# Altium PCB FMC_ADC_250M_16B_4ch_pcb.PcbDoc (part 8 of 8)
Units mm, origin at the board's own origin, x right, y up, seen from the top; angles counter-clockwise.
Board outline 76.75 x 69 mm, 8 copper layers (Top Layer, GND(SMAGND), L3, GND, L5, GND (Plane2), Power, Bottom Layer), stack 1.363 mm thick; 374 components, 427 nets, 2157 pads, 1340 vias.
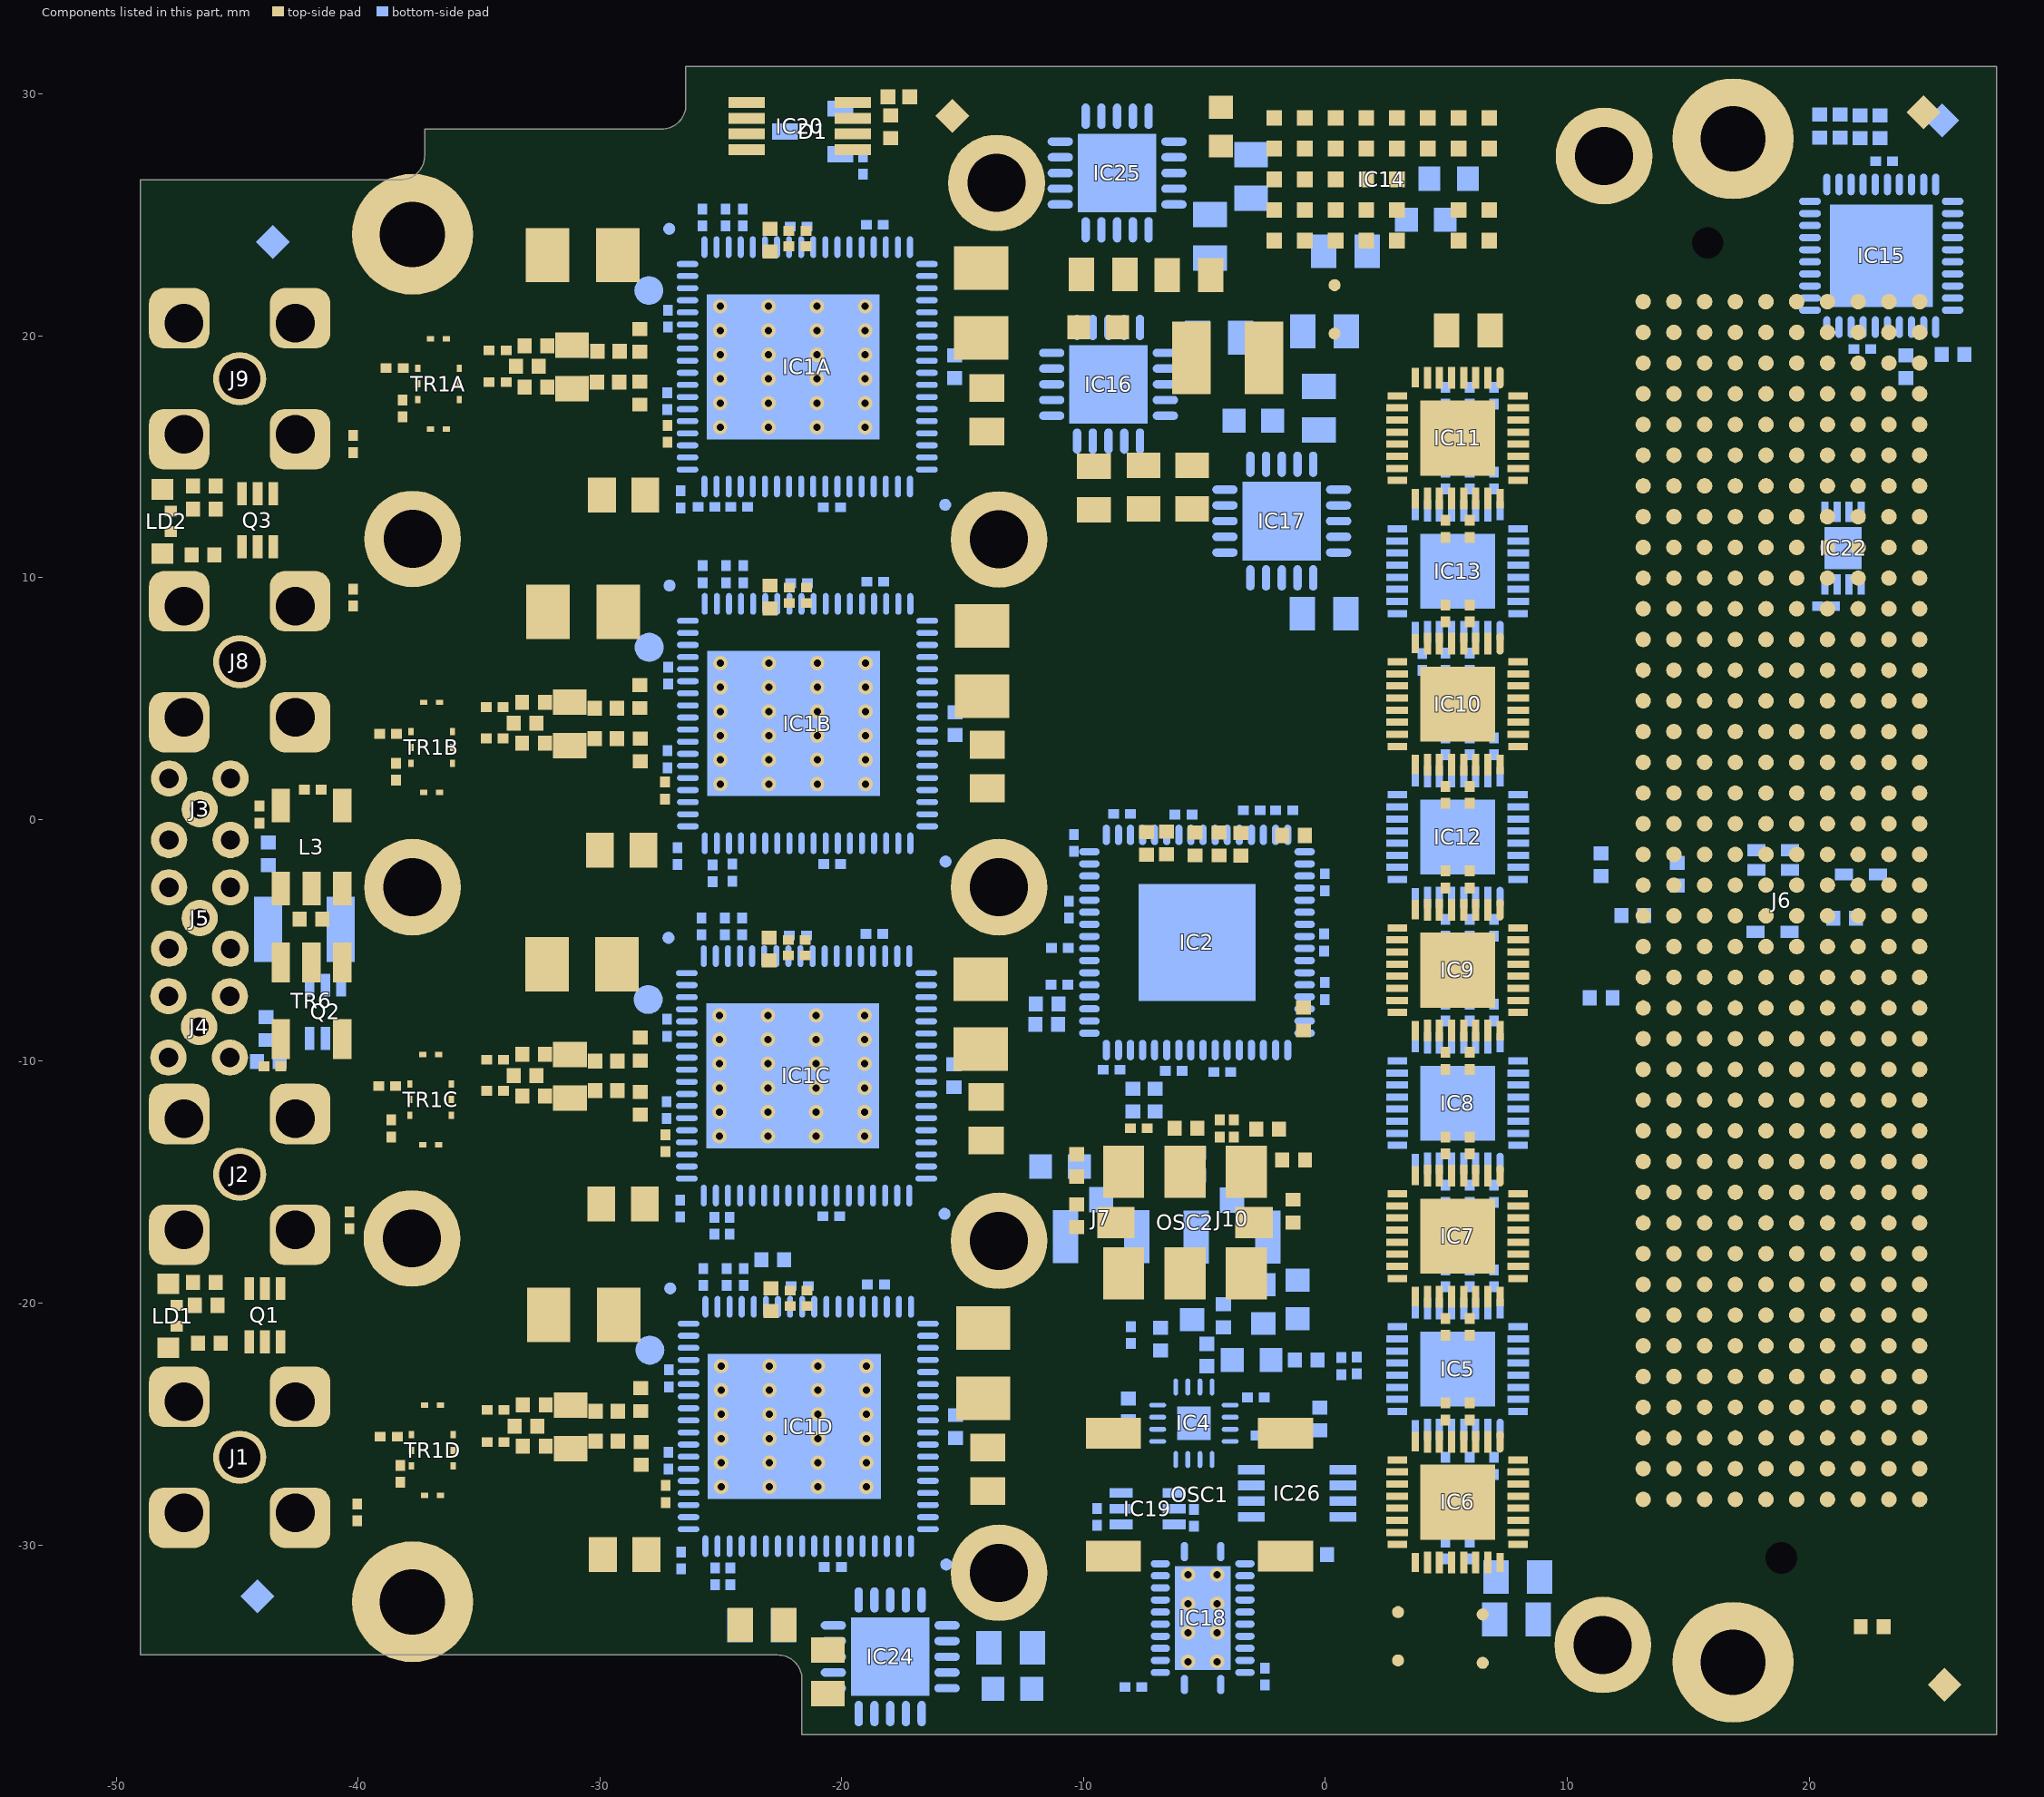
[diagram p14: the components of this part, seen from the top]

## Other copper (continued)
Power (plane layer: these items are gaps in the copper):
  lines w0.127: -32.5,-2.83 -32.5,-14.299 -32.08,-14.719 -32.08,-14.77 ; -7.822,11.902 -6.172,13.551 -6.172,16.32 -6.858,17.006 -6.858,18.199 ; -4.561,17.285 -4.561,15.953 -2.515,13.907 ; -4.547,21.238 -4.435,21.349 0.697,21.349 0.697,21.312 1.243,20.766 2.87,20.766
  lines w0.143: 26.225,-3.375 27.6,-3.375 ; 26.225,-2.3 27.6,-2.3 ; 26.225,-1.225 27.6,-1.225 ; 26.225,-0.15 27.6,-0.15 ; 26.225,0.925 27.6,0.925 ; 26.225,2 27.6,2 ; 26.225,3.075 26.225,-4.45 27.6,-4.45 27.6,3.075 ; 26.225,3.075 27.6,3.075 ; 26.225,3.075 26.225,4.15 27.6,4.15 27.6,3.075
  lines w0.152: -30.75,-34.279 -30.75,-31.912 -33.5,-29.162 -33.5,-16.279 -32,-14.779 -31.75,-14.779 -29.75,-14.779 -29.5,-15.029 -29.5,-16.529 -30,-17.029 -31.75,-17.029 -32.664,-17.944 -32.664,-28.115 -31.5,-29.279 -30,-29.279 -29.5,-29.779 -29.5,-31.779 -28.75,-32.529 -19.25,-32.529 -18.5,-33.279 -18.5,-35.779 -18,-36.279 -18,-37.779 ; -27.394,27.076 -27.394,28.625 ; -18.505,-33.26 -18.251,-33.006 -13.095,-33.006 -12.46,-32.371 -12.46,-29.5 ; -15.396,-26.415 -15.396,-28.981 -14.837,-29.539 -12.45,-29.539 -9.884,-26.974 ; -15.396,-21.694 -15.396,-11.901 ; -15.396,-7.194 -15.396,2.668 ; -15.396,7.392 -15.396,17.42 ; -12.192,21.235 -11.985,21.235 -10.7,22.521 -6.8,22.521 -6.847,22.474 -6.847,18.175 ; -10.708,-37.781 -10.682,-37.755 -10.682,-31.507 -7.101,-27.926 -0.544,-27.926 -0.127,-27.508 -0.127,-27.28 1.524,-25.629 1.524,-20.828 1.473,-20.828 0.889,-20.244 0.889,-3.404 0.889,-1.295 0.889,10.439 0.864,10.465 ; -9.895,-26.96 -9.844,-26.91 -9.844,-18.07 -10.86,-17.054 -10.86,-6.844 -11.292,-6.412 -11.292,0.283 -9.869,1.706 -9.869,9.829 -7.796,11.902 -4.307,11.902 -2.935,11.902 -0.66,9.627 -0.66,9.322 -0.508,9.169 -0.508,0.722 -0.606,0.624 -0.606,-14.921 -0.606,-23.466 -0.635,-23.495 -0.635,-23.698 -0.635,-26.721 -0.889,-26.975 -2.667,-26.975 -3.962,-25.679 -9.844,-25.679 ; -7.319,31.09 -7.116,31.294 ; -6.999,23.23 -6.796,23.027 -6.796,22.519 ; -6.009,26.227 -4.51,27.726 -2.656,27.726 -2.148,27.218 -2.148,25.171 -3.094,24.225 -3.094,22.691 -4.561,21.223 -4.561,16.855 ; -2.707,14.061 0.915,10.44 ; -2.148,27.192 0.037,27.192 0.635,26.594 0.635,21.374 ; 1.205,-31.507 1.51,-31.812 5.752,-31.812 ; 1.51,-34.475 7.506,-34.475 8.706,-35.675 22.206,-35.675 25.606,-32.275 25.606,-28.475 25.606,-18.675 25.575,-18.644 25.575,-6.05 25.025,-5.5 25.025,11.306 24.706,11.625 20.206,11.625 19.106,12.725 19.106,19.225 19.806,19.925 19.806,21.625 20.206,22.025 20.622,22.025 22.506,20.14 22.506,19.025 21.206,17.725 21.206,14.225 22.006,13.425 27.756,13.425 ; 1.51,-31.786 1.51,-37.857 1.535,-37.882 ; 1.549,-31.812 1.205,-31.467 1.205,-30.85 1.397,-30.658 2.743,-30.658 3.581,-29.82 3.581,-29.413 ; 2.819,-3.353 2.819,-2.921 ; 2.831,20.766 6.768,20.766 7.53,21.528 14.337,21.528 15.099,22.29 18.782,22.29 19.087,21.985 19.087,20.639 18.02,19.572 15.988,19.572 9.282,19.572 8.571,18.861 ; 3.186,18.607 2.196,17.617 2.196,1.346 2.794,0.748 2.794,-2.083 2.794,-2.337 2.794,-3.962 3.581,-4.75 3.581,-29.512 ; 3.212,18.556 3.212,19.471 3.466,19.725 7.682,19.725 9.155,18.252 9.155,-30.415 7.758,-31.812 5.625,-31.812 ; 6.133,29.504 7.758,29.504 8.114,29.148 8.114,25.872 8.484,25.502 20.53,25.502 23.506,22.525 23.506,13.425 ; 6.133,29.529 5.853,29.25 5.853,27.853 3.694,25.694 3.694,23.789 3.923,23.56 19.442,23.56 20.606,22.396 20.606,22.025 ; -33.5,-1.779 -33.5,25.221 -31.644,27.076 -17.644,27.076 -17,27.721 -17,28.721 -16,29.721 -9.5,29.721 -6,26.221 -6,24.221 -7,23.221 -10.5,23.221 -12,24.721 -15.5,24.721 -16.814,26.035 -31.686,26.035 -32.5,25.221 -32.5,15.721 -31.5,14.721 -30.5,14.721 -30,14.221 -30,12.721 -30.5,12.221 -32,12.221 -32.5,11.721 -32.5,1.221 -31.5,0.221 -29.923,0.221 -29.5,-0.202 -29.5,-2.279 -30,-2.779 -32.5,-2.779 -33.5,-1.779 ; -31.431,-7.33 -31.431,-4.753 -30.778,-4.1 -23.528,-4.1 -22.809,-4.819 -22.809,-16.553 -23.606,-17.35 -28.528,-17.35 -29.043,-16.835 -29.043,-14.865 -28.778,-14.6 -28.278,-14.1 -28.278,-8.1 -28.528,-7.85 -30.911,-7.85 -31.431,-7.33 ; -31.402,21.991 -30.882,21.471 -28.5,21.471 -28.25,21.221 -28.25,15.221 -28.75,14.721 -29.015,14.456 -29.015,12.485 -28.5,11.971 -23.578,11.971 -22.809,12.739 -22.809,15.931 -22.809,21.338 -22.835,21.364 -22.835,24.555 -23.425,25.146 -30.825,25.146 -31.402,24.568 -31.402,21.991 ; -31.388,7.237 -31.388,9.814 -30.736,10.467 -23.486,10.467 -22.772,9.753 -22.772,-1.992 -23.564,-2.783 -28.486,-2.783 -29.001,-2.269 -29.001,-0.298 -28.736,-0.033 -28.236,0.467 -28.236,6.467 -28.486,6.717 -30.868,6.717 -31.388,7.237 ; -31.361,-21.83 -31.361,-19.253 -30.708,-18.6 -23.458,-18.6 -22.758,-19.3 -22.758,-31.072 -23.536,-31.85 -28.458,-31.85 -28.973,-31.335 -28.973,-29.365 -28.708,-29.1 -28.208,-28.6 -28.208,-22.6 -28.458,-22.35 -30.841,-22.35 -31.361,-21.83 ; -22.815,-15.847 -22.815,-4.887 -22.028,-4.1 -21.778,-3.85 -18.748,-3.85 -18.305,-4.294 -18.305,-6.574 -17.684,-7.194 -13.184,-7.194 -12.852,-7.526 -12.852,-9.83 -14.923,-11.901 -16.079,-11.901 -17.278,-13.1 -17.278,-16.009 -18.891,-17.622 -21.04,-17.622 -22.815,-15.847 ; -22.787,13.474 -21.012,11.699 -18.863,11.699 -17.25,13.312 -17.25,16.221 -16.05,17.42 -13.3,17.42 -12.229,18.492 -12.229,21.199 -13.156,22.126 -17.656,22.126 -18.276,22.747 -18.276,25.027 -18.72,25.471 -21.75,25.471 -22,25.221 -22.787,24.434 -22.787,13.474 ; -22.772,-1.28 -22.772,9.68 -21.986,10.467 -21.736,10.717 -18.705,10.717 -18.262,10.273 -18.262,7.993 -17.641,7.372 -13.141,7.372 -12.214,6.445 -12.214,3.738 -13.286,2.666 -16.036,2.666 -17.236,1.467 -17.236,-1.442 -18.849,-3.055 -20.997,-3.055 -22.772,-1.28 ; -22.745,-30.347 -22.745,-19.387 -21.958,-18.6 -21.708,-18.35 -18.678,-18.35 -18.235,-18.794 -18.235,-21.074 -17.614,-21.694 -13.114,-21.694 -12.187,-22.622 -12.187,-25.329 -13.259,-26.401 -16.009,-26.401 -17.208,-27.6 -17.208,-30.509 -18.821,-32.122 -20.97,-32.122 -22.745,-30.347
  text "7" at 27.45,2.225 h1.02 r90
Multi-Layer:
  pour cut-out: 26.25,4.188 26.25,-4.487 27.687,-4.487 27.687,4.188

## Silkscreen, mask and mechanical layers (free items; w line width, h text height)
Top Overlay:
  text "FR4 - TG150 - ENIG" at 27.225,4.675 h1 r90
  text "TOP" at 19.975,-37.15 h1.27
Bottom Overlay:
  drawing of 135 lines, arcs and shapes, not listed
  text "IN4" at -38.975,17.95 h0.76
  text "Laboratorio Nacional" at 23.5,14 h1 r90
  text "de Luz Sincrotron" at 24.15,14 h1 r90
  text "http://www.ohwr.org/projects/fmc-adc-250m-16b-4cha" at -31.459,13.222 h1.52 r90
  text "Open Hardware Repository" at -33.459,11.722 h1.65 r90
  text "sirius" at 19.968,9.049 h2.2 r90
  text "IN3" at -39,6.3 h0.76
  text "FMC ADC 250M 16B 4CH v2" at 11.675,3.225 h1.52 r90
  text "EXT CLK" at -35.55,-0.475 h0.76
  text "TRIG IN" at -34.85,-6 h0.76
  text "ID CODE" at 22.075,-8.4 h3 r90
  text "REF_CLK" at -35.325,-10.3 h0.76
  text "CLKP" at -6.579,-14.453 h0.76
  text "CLKN" at -0.381,-14.757 h0.76
  text "IN2" at -39,-14.95 h0.76
  text "IN1" at -39.1,-26.55 h0.76
  text "BOT" at 26.675,-37.2 h1.27
Top Solder:
  drawing of 29 lines, arcs and shapes, not listed
Drill Guide:
  text "INPUT1" at -61.671,17.628 h1
  text "INPUT2" at -61.925,6.134 h1
  text "EXT CLK" at -61.265,-0.19 h1
  text "TRIG" at -58.623,-4.559 h1
  text "REF IN" at -60.858,-8.852 h1
  text "INPUT3" at -62.103,-14.922 h1
  text "INPUT4" at -62.687,-26.047 h1
Mechanical 1:
  lines w0.127: -48.994,-34.55 -48.994,26.45 ; -37.244,27.45 -37.244,28.55 -27.444,28.55 ccw(c-27.444,29.55) -26.444,29.55 -26.444,31.15 ; -22.644,-34.55 cw(c-22.644,-35.55) -21.644,-35.55 -21.644,-37.85 ; 27.756,-37.85 27.756,31.15
Mechanical 2:
  circle w0.127: c-84.833,11.924 r0.75
  circle w0.127: c-84.833,-20.926 r0.75
  circle w0.127: c-83.273,-0.026 r2
  circle w0.127: c-80.253,-15.126 r4.25
  circle w0.127: c-83.273,-4.526 r2
  circle w0.127: c-83.273,-9.026 r2
  circle w0.127: c-80.253,6.074 r4.25
  circle w0.1: c-37.741,24.196 r1.025
  circle w0.1: c-37.741,-32.354 r1.025
  lines w0.1: -64.719,-4.075 -44.394,-4.075 -44.369,-4.05 ; -49.741,-30.104 -37.741,-30.104 cw(c-37.741,-32.354) -37.741,-34.604 -48.741,-34.604 -48.741,-33.304 -50.191,-33.304 ; -49.741,-30.079 -49.741,21.921 ; -49.741,21.946 -37.741,21.946 ccw(c-37.741,24.196) -37.741,26.446 -48.741,26.446 -48.741,25.146 -50.191,25.146 ; -44.911,-26.237 -44.911,19.21 -44.9,19.221 ; -38.741,-32.354 -36.741,-32.354 ; -38.741,24.196 -36.741,24.196 ; -37.748,-32.333 -37.748,24.207 ; -37.748,-17.424 -11.002,-17.424 -10.976,-17.398 ; -37.748,-2.895 -10.976,-2.895 ; -37.748,11.583 -10.672,11.583 -10.646,11.558 ; -37.744,-32.35 -63.794,-32.35 ; -37.744,24.2 -63.794,24.2 -63.794,-32.35 ; -37.741,-33.354 -37.741,-31.354 ; -37.741,23.196 -37.741,25.196 ; -13.519,29.825 -13.494,29.8 -13.494,-17.424 ; -13.494,-33.55 -13.494,-17.4 ; -63.794,-32.35 -63.794,-32.35 ; -51.791,-33.304 cw(c-50.991,-33.304) -50.191,-33.304 ; -51.791,-33.304 -51.791,25.146 ; -51.791,-33.304 -52.241,-33.304 -52.241,25.146 -51.791,25.146 ; -51.791,25.146 ccw(c-50.991,25.146) -50.191,25.146 ; -50.191,-33.304 -50.191,25.146
  lines w0.127: -85.28,-33.473 cw(c-84.036,-30.747) -87.033,-30.747 -87.033,21.704 cw(c-84.036,21.704) -85.28,24.431 ; -75.273,-32.926 ccw(c-77.33,-30.747) -74.333,-30.747 -74.333,21.704 ccw(c-77.33,21.704) -75.273,23.884 ; -82.313,-30.544 cw(c-80.253,-26.826) -78.193,-30.544 ; -82.313,-30.544 ccw(c-80.253,-26.826) -78.193,-30.544 ; -82.313,-30.544 -85.281,-30.544 -85.281,-35.039 -75.273,-35.039 -75.273,-30.544 -78.193,-30.544 ; -82.296,21.501 ccw(c-80.253,17.774) -78.211,21.501 ; -82.296,21.501 cw(c-80.253,17.774) -78.211,21.501 ; -82.296,21.501 -85.281,21.501 -85.281,25.997 -75.273,25.997 -75.273,21.501 -78.211,21.501
  lines w0.203: -46.44,-21.195 -42.63,-21.195 ; -46.44,-2.145 -42.63,-2.145 ; -46.44,7.38 -42.63,7.38 ; -46.44,16.905 -42.63,16.905 ; -46.313,-11.67 -42.63,-11.67
  text "Input stage 1" at -70.895,18.441 h1.52
  text "Input stage 2" at -71.657,5.995 h1.52
  text "Input stage 3" at -72.749,-15.112 h1.52
  text "Input stage 4" at -71.073,-26.11 h1.52
Mechanical 3:
  text "ADC 4CH" at -83.388,23.343 h1
  text "IN1" at -86.512,19.787 h1.4 r270
  text "LD2" at -82.829,11.659 h1.4
  text "IN2" at -86.512,7.976 h1.4 r270
  text "ext" at -80.67,0.229 h1.4
  text "CLK" at -80.67,-1.676 h1.4
  text "TRIG" at -80.67,-4.851 h1.4
  text "REF" at -80.67,-9.423 h1.4
  text "IN3" at -86.512,-13.36 h1.4 r270
  text "LD1" at -82.702,-21.361 h1.4
  text "IN4" at -86.512,-24.917 h1.4 r270
  text "250MHz,16b" at -85.166,-32.41 h1
Mechanical 8:
  circle w0.1: c-37.744,24.2 r1.35
  circle w0.1: c-37.744,-32.35 r1.35
  circle w0.1: c16.856,28.15 r1.35
  circle w0.1: c18.856,-30.55 r0.65
  circle w0.1: c16.856,-34.85 r1.35
  circle w0.1: c15.806,23.85 r0.65
  circle w0.1: c16.856,28.15 r2.9
  circle w0.1: c16.856,-34.85 r2.9
  lines w0.1: -48.744,-29.05 -17.744,-29.05 -17.744,20.95 -48.744,20.95 ; -38.744,-32.35 -37.744,-32.35 ; -38.744,24.2 -37.744,24.2 ; -37.744,-33.35 -37.744,-32.35 ; -37.744,-31.35 -37.744,-32.35 ; -37.744,23.2 -37.744,24.2 ; -37.744,25.2 -37.744,24.2 ; -36.744,-32.35 -37.744,-32.35 ; -36.744,24.2 -37.744,24.2 ; 14.806,23.85 15.806,23.85 ; 15.806,22.85 15.806,23.85 ; 15.806,24.85 15.806,23.85 ; 15.856,-34.85 16.856,-34.85 ; 15.856,28.15 16.856,28.15 ; 16.806,23.85 15.806,23.85 ; 16.856,-35.85 16.856,-34.85 ; 16.856,-33.85 16.856,-34.85 ; 16.856,27.15 16.856,28.15 ; 16.856,29.15 16.856,28.15 ; 17.856,-34.85 16.856,-34.85 ; 17.856,-30.55 18.856,-30.55 ; 17.856,28.15 16.856,28.15 ; 18.856,-31.55 18.856,-30.55 ; 18.856,-29.55 18.856,-30.55 ; 19.856,-30.55 18.856,-30.55 ; 23.556,-28.15 24.556,-28.15 ; 24.556,-29.15 24.556,-28.15 ; 24.556,-27.15 24.556,-28.15 ; 25.556,-28.15 24.556,-28.15
Drill Drawing:
  lines w0.1: -39.244,27.45 -38.244,27.45 ; -38.244,26.45 -38.244,27.45 ; -38.244,28.45 -38.244,27.45 ; -37.244,27.45 -38.244,27.45 ; -28.444,29.55 -27.444,29.55 ; -27.444,28.55 -27.444,29.55 ; -27.444,30.55 -27.444,29.55 ; -26.444,29.55 -27.444,29.55 ; -23.644,-35.55 -22.644,-35.55 ; -22.644,-36.55 -22.644,-35.55 ; -22.644,-34.55 -22.644,-35.55 ; -21.644,-35.55 -22.644,-35.55
Mechanical 18:
  drawing of 300 lines, arcs and shapes, not listed
shield 2D:
  drawing of 592 lines, arcs and shapes, not listed
  text "new 2d Shield" at 120.475,135 h1.52

## Dimensions
-22.644,-35.55 to -19.943,-32.85 on Drill Drawing

## Text inside footprints (layer, text, board x,y; h text height)
IC14: Mechanical 14 "5" at 8.317,23.996 h0.4 r270; Mechanical 14 "4" at 8.317,25.266 h0.4 r270; Mechanical 14 "3" at 8.317,26.536 h0.4 r270; Mechanical 14 "2" at 8.317,27.806 h0.4 r270; Mechanical 14 "1" at 8.317,29.076 h0.4 r270; Mechanical 14 "A" at 6.666,30.219 h0.4 r270; Mechanical 14 "B" at 5.396,30.219 h0.4 r270; Mechanical 14 "C" at 4.126,30.219 h0.4 r270; Mechanical 14 "D" at 2.856,30.219 h0.4 r270; Mechanical 14 "E" at 1.586,30.219 h0.4 r270; Mechanical 14 "F" at 0.316,30.219 h0.4 r270; Mechanical 14 "G" at -0.954,30.219 h0.4 r270; Mechanical 14 "H" at -2.224,30.219 h0.4 r270
IC15: Mechanical 16 "1" at 23.438,23.477 h0.75 r90
J6: Top Overlay "1" at 10.784,-28.767 h1; Top Overlay "40" at 10.475,23.725 h1 r270; Top Overlay "k" at 12.943,-32.164 h1; Top Overlay "j" at 14.086,-32.037 h1; Top Overlay "g" at 16.626,-32.037 h1; Top Overlay "h" at 15.3,-32.147 h1; Top Overlay "f" at 17.896,-32.291 h1; Top Overlay "a" at 24.317,-32.147 h1; Top Overlay "b" at 23.047,-32.147 h1; Top Overlay "c" at 21.777,-32.147 h1; Top Overlay "d" at 20.401,-32.164 h1; Top Overlay "e" at 19.163,-32.124 h1; Mechanical 14 "1" at 10.784,-28.767 h1; Mechanical 14 "40" at 10.475,23.725 h1 r270; Mechanical 14 "k" at 12.943,-33.339 h1; Mechanical 14 "j" at 14.086,-33.212 h1; Mechanical 14 "g" at 16.626,-33.212 h1; Mechanical 14 "h" at 15.3,-33.322 h1; Mechanical 14 "f" at 17.896,-33.466 h1; Mechanical 14 "e" at 19.163,-33.299 h1; Mechanical 14 "d" at 20.401,-33.339 h1; Mechanical 14 "c" at 21.777,-33.322 h1; Mechanical 14 "b" at 23.047,-33.322 h1; Mechanical 14 "a" at 24.317,-33.322 h1
LD1: Mechanical 8 "C" at -46.519,-21.125 h0.5 r90
LD2: Mechanical 8 "C" at -46.769,11.725 h0.5 r90